# Altium PCB 整板_大板_one.PcbDoc (part 3 of 3)
Units mil, origin at the board's own origin, x right, y up, seen from the top; angles counter-clockwise.
Board outline 19488.19 x 7322.84 mil, 2 copper layers (Top Layer, Bottom Layer); 297 components, 275 nets, 1817 pads, 745 vias.
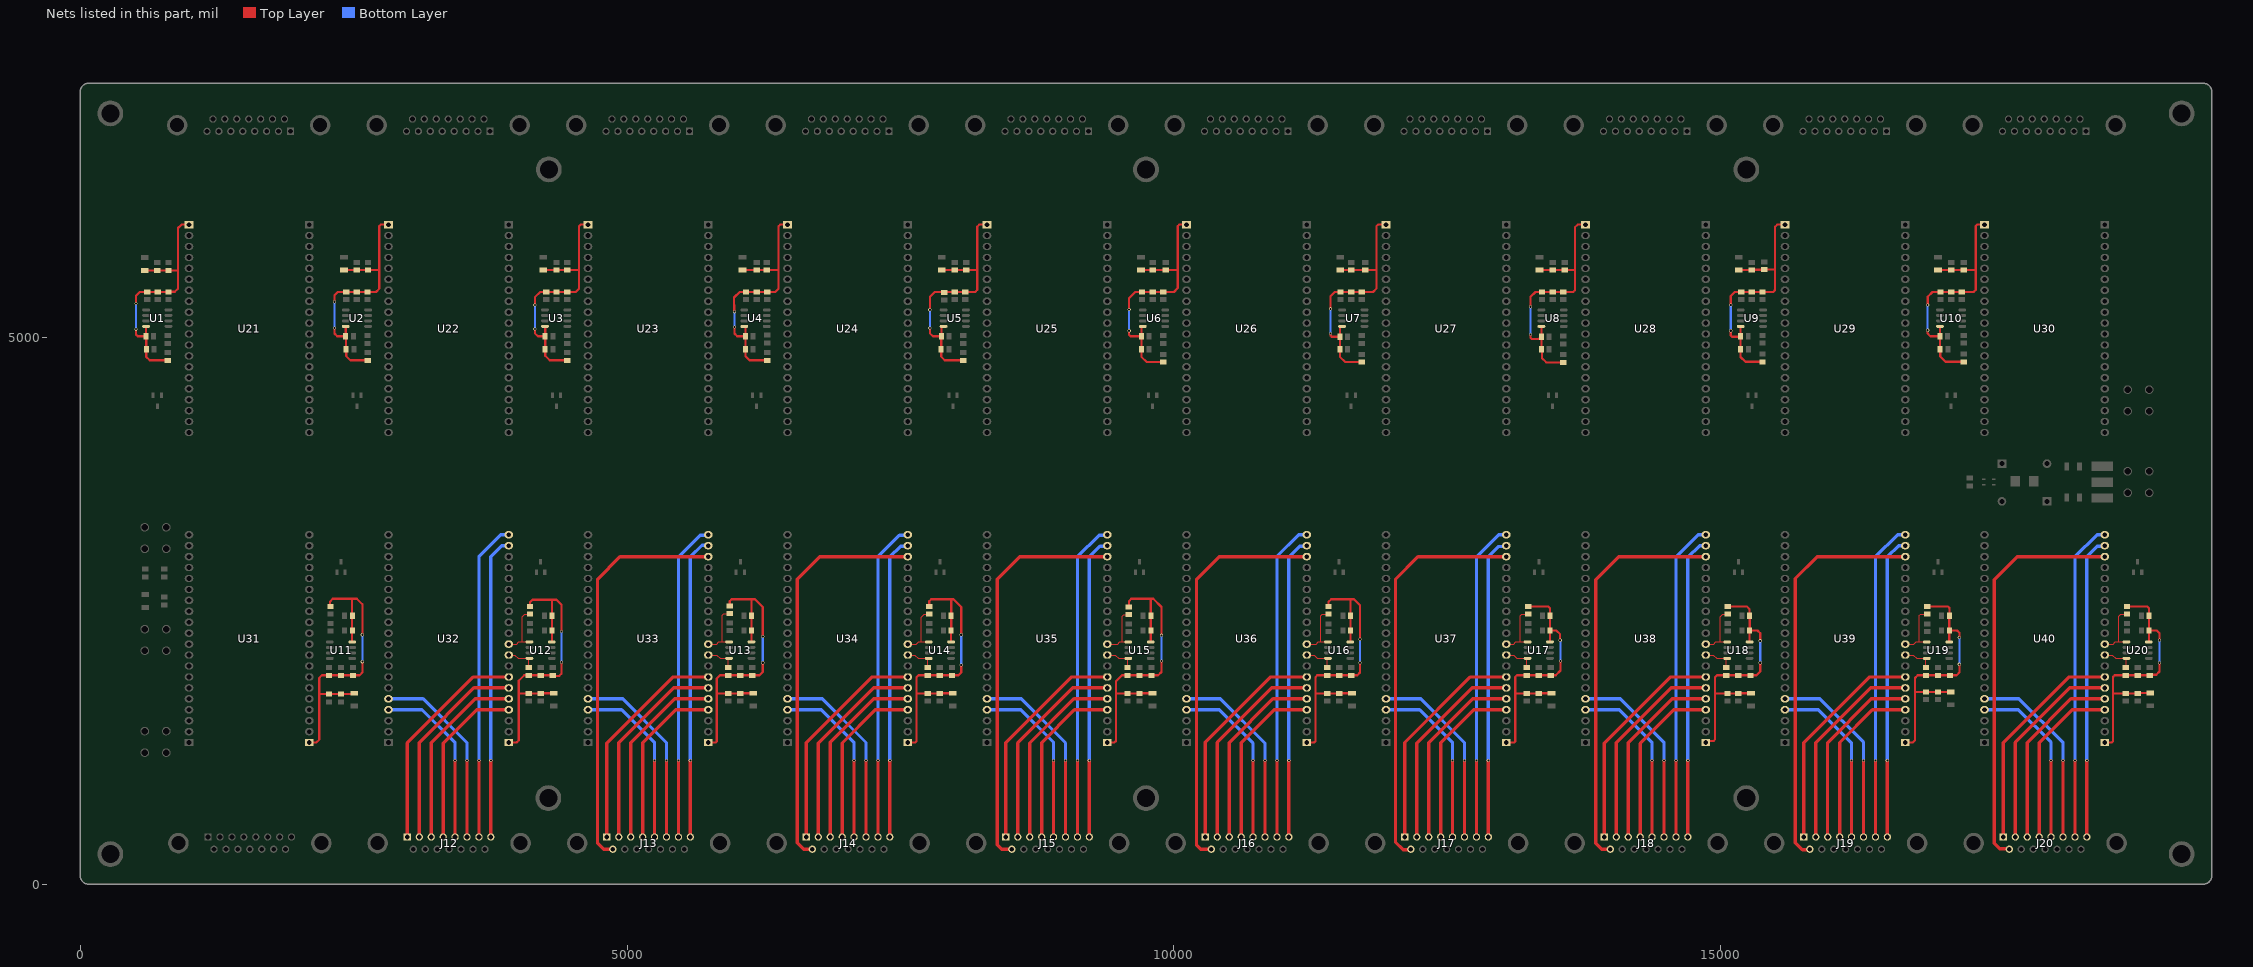
[diagram p3: the nets of this part, all layers, seen from the top]

## Via types
v1: diameter 25, hole 20, Top Layer to Bottom Layer, 462 vias
v2: diameter 30, hole 20, Top Layer to Bottom Layer, 281 vias
v3: diameter 40, hole 25, Top Layer to Bottom Layer, 1 vias
v4: diameter 25, hole 15, Top Layer to Bottom Layer, 1 vias

## Nets (pads, with @x,y where several pads share a name; then routed paths per layer and width w, separated by ;. In a path a pad name is that pad's centre, name@x,y a point inside that pad or via, vN(x,y) a via of type N, cw(c..) or ccw(c..) an arc to the next point about the centre after c; other vN are vias at no path point) (continued)
U12_P2: J12.8 U32.19 | length 2768.6
  Top Layer w30: J12.8@3754.69,431.81 v2(3754.69,1130.86)
  Bottom Layer w30: v2(3754.69,1130.86) 3754.69,2994.69 3855,3095 U32.19@3918.89,3095
U12_P3: J12.7 U32.20 | length 2918.9
  Top Layer w30: J12.7@3645.64,431.81 v2(3645.64,1130.86)
  Bottom Layer w30: v2(3645.64,1130.86) 3645.64,2994.36 3846.27,3195 U32.20@3918.89,3195
U12_P4: J12.6 U32.36 | length 1745.6
  Top Layer w30: J12.6@3536.58,431.81 v2(3536.58,1130.86)
  Bottom Layer w30: U32.36@2818.89,1695 3135,1695 3536.58,1293.42 v2(3536.58,1130.86)
U12_P5: J12.5 U32.37 | length 1594.6
  Top Layer w30: J12.5@3427.53,431.81 v2(3427.53,1130.86)
  Bottom Layer w30: U32.37@2818.89,1595 3125,1595 3427.53,1292.47 v2(3427.53,1130.86)
U12_P6: J12.4 U32.4 | length 1584
  Top Layer w30: J12.4@3318.47,431.81 3318.47,1288.47 3625,1595 U32.4@3918.89,1595
U12_P7: J12.3 U32.5 | length 1738
  Top Layer w30: J12.3@3209.42,431.81 3209.42,1294.42 3610,1695 U32.5@3918.89,1695
U12_P8: J12.2 U32.6 | length 1889
  Top Layer w30: J12.2@3100.36,431.81 3100.36,1295.36 3600,1795 U32.6@3918.89,1795
U12_P9: J12.1 U32.7 | length 2037.1
  Top Layer w30: J12.1@2991.31,431.81 2991.31,1291.31 3595,1895 U32.7@3918.89,1895
U12_RX: R56.1 U12.1 U32.10 | length 510.2
  Top Layer w10: U32.10@3918.89,2195 3990,2195 4010,2215 4040,2215 ; U12.1@4107.64,2215 4040,2215 ; R56.1@4112.89,2469.92 4064.92,2469.92 4040,2445 4040,2215
U12_TX: R54.1 U12.4 U32.9 | length 289.3
  Top Layer w10: U32.9@3918.89,2095 3975,2095 4005,2065 U12.4@4107.64,2065 4100,2057.36 R54.1@4100,1980.04
U13_P1: J13.9 U33.18 | length 3675.2
  Top Layer w30: J13.9@4869.72,320 4785,320 4730,375 4730,2790 4935,2995 U33.18@5742.78,2995
U13_P2: J13.8 U33.19 | length 2772.1
  Top Layer w30: J13.8@5578.58,431.81 v2(5578.58,1130.86)
  Bottom Layer w30: v2(5578.58,1130.86) 5578.58,2993.58 5685,3100 5737.78,3100 U33.19@5742.78,3095
U13_P3: J13.7 U33.20 | length 2916.6
  Top Layer w30: J13.7@5469.52,431.81 v2(5469.52,1130.86)
  Bottom Layer w30: v2(5469.52,1130.86) 5469.52,2990.48 5669.05,3190 5737.78,3190 U33.20@5742.78,3195
U13_P4: J13.6 U33.36 | length 1746.3
  Top Layer w30: J13.6@5360.47,431.81 v2(5360.47,1130.86)
  Bottom Layer w30: U33.36@4642.78,1695 4960,1695 5360.47,1294.53 v2(5360.47,1130.86)
U13_P5: J13.5 U33.37 | length 1595.3
  Top Layer w30: J13.5@5251.41,431.81 v2(5251.41,1130.86)
  Bottom Layer w30: U33.37@4642.78,1595 4950,1595 5251.41,1293.59 v2(5251.41,1130.86)
U13_P6: J13.4 U33.4 | length 1586.3
  Top Layer w30: J13.4@5142.36,431.81 5142.36,1292.36 5445,1595 U33.4@5742.78,1595
U13_P7: J13.3 U33.5 | length 1737.4
  Top Layer w30: J13.3@5033.3,431.81 5033.3,1293.3 5435,1695 U33.5@5742.78,1695
U13_P8: J13.2 U33.6 | length 1888.4
  Top Layer w30: J13.2@4924.25,431.81 4924.25,1294.25 5425,1795 U33.6@5742.78,1795
U13_P9: J13.1 U33.7 | length 2036.5
  Top Layer w30: J13.1@4815.19,431.81 4815.19,1290.19 5420,1895 U33.7@5742.78,1895
U13_RX: R59.1 U13.1 U33.10 | length 517.2
  Top Layer w10: U33.10@5742.78,2195 5820,2195 5840,2215 5870,2215 ; U13.1@5932.64,2215 5870,2215 ; R59.1@5937.89,2474.92 5884.92,2474.92 5870,2460 5870,2215
U13_TX: R57.1 U13.4 U33.9 | length 290.4
  Top Layer w10: U33.9@5742.78,2095 5820,2095 5850,2065 U13.4@5932.64,2065 5925,2057.36 R57.1@5925,1980.04
U14_P1: J14.9 U34.18 | length 3670
  Top Layer w30: J14.9@6693.61,320 6615,320 6555,380 6555,2790 6760,2995 U34.18@7566.67,2995
U14_P2: J14.8 U34.19 | length 2767.4
  Top Layer w30: J14.8@7402.47,431.81 v2(7402.47,1130.86)
  Bottom Layer w30: v2(7402.47,1130.86) 7402.47,2992.53 7499.94,3090 7561.67,3090 U34.19@7566.67,3095
U14_P3: J14.7 U34.20 | length 2918.4
  Top Layer w30: J14.7@7293.41,431.81 v2(7293.41,1130.86)
  Bottom Layer w30: v2(7293.41,1130.86) 7293.41,2993.41 7490,3190 7561.67,3190 U34.20@7566.67,3195
U14_P4: J14.6 U34.36 | length 1746.9
  Top Layer w30: J14.6@7184.36,431.81 v2(7184.36,1130.86)
  Bottom Layer w30: U34.36@6466.67,1695 6785,1695 7184.36,1295.64 v2(7184.36,1130.86)
U14_P5: J14.5 U34.37 | length 1595.9
  Top Layer w30: J14.5@7075.3,431.81 v2(7075.3,1130.86)
  Bottom Layer w30: U34.37@6466.67,1595 6775,1595 7075.3,1294.7 v2(7075.3,1130.86)
U14_P6: J14.4 U34.4 | length 1585.7
  Top Layer w30: J14.4@6966.25,431.81 6966.25,1291.25 7270,1595 U34.4@7566.67,1595
U14_P7: J14.3 U34.5 | length 1739.6
  Top Layer w30: J14.3@6857.19,431.81 6857.19,1297.19 7255,1695 U34.5@7566.67,1695
U14_P8: J14.2 U34.6 | length 1884.8
  Top Layer w30: J14.2@6748.14,431.81 6748.14,1288.14 7255,1795 U34.6@7566.67,1795
U14_P9: J14.1 U34.7 | length 2038.8
  Top Layer w30: J14.1@6639.08,431.81 6639.08,1294.08 7240,1895 U34.7@7566.67,1895
U14_RX: R62.1 U14.1 U34.10 | length 510.1
  Top Layer w10: U34.10@7566.67,2195 7645,2195 7665,2215 7690,2215 ; U14.1@7757.64,2215 7690,2215 ; R62.1@7762.89,2469.92 7718.95,2469.92 7690,2440.97 7690,2215
U14_TX: R60.1 U14.4 U34.9 | length 291.5
  Top Layer w10: U34.9@7566.67,2095 7630,2095 7660,2065 U14.4@7757.64,2065 7750,2057.36 R60.1@7750,1980.04
U15_P1: J15.9 U35.18 | length 3669.5
  Top Layer w30: J15.9@8517.5,320 8425,320 8385,360 8385,2790 8590,2995 U35.18@9390.56,2995
U15_P2: J15.8 U35.19 | length 2768
  Top Layer w30: J15.8@9226.36,431.81 v2(9226.36,1130.86)
  Bottom Layer w30: v2(9226.36,1130.86) 9226.36,2993.64 9322.71,3090 9385.56,3090 U35.19@9390.56,3095
U15_P3: J15.7 U35.20 | length 2917.9
  Top Layer w30: J15.7@9117.3,431.81 v2(9117.3,1130.86)
  Bottom Layer w30: v2(9117.3,1130.86) 9117.3,2992.7 9314.6,3190 9385.56,3190 U35.20@9390.56,3195
U15_P4: J15.6 U35.36 | length 1744.7
  Top Layer w30: J15.6@9008.25,431.81 v2(9008.25,1130.86)
  Bottom Layer w30: U35.36@8290.56,1695 8605,1695 9008.25,1291.75 v2(9008.25,1130.86)
U15_P5: J15.5 U35.37 | length 1596.6
  Top Layer w30: J15.5@8899.19,431.81 v2(8899.19,1130.86)
  Bottom Layer w30: U35.37@8290.56,1595 8600,1595 8899.19,1295.81 v2(8899.19,1130.86)
U15_P6: J15.4 U35.4 | length 1588
  Top Layer w30: J15.4@8790.14,431.81 8790.14,1295.14 9090,1595 U35.4@9390.56,1595
U15_P7: J15.3 U35.5 | length 1736.1
  Top Layer w30: J15.3@8681.08,431.81 8681.08,1291.08 9085,1695 U35.5@9390.56,1695
U15_P8: J15.2 U35.6 | length 1887.1
  Top Layer w30: J15.2@8572.03,431.81 8572.03,1292.03 9075,1795 U35.6@9390.56,1795
U15_P9: J15.1 U35.7 | length 2038.1
  Top Layer w30: J15.1@8462.97,431.81 8462.97,1292.97 9065,1895 U35.7@9390.56,1895
U15_RX: R65.1 U15.1 U35.10 | length 504.4
  Top Layer w10: U35.10@9390.56,2195 9485,2195 9505,2215 9525,2215 ; U15.1@9582.64,2215 9525,2215 ; R65.1@9587.89,2464.92 9539.92,2464.92 9525,2450 9525,2215
U15_TX: R63.1 U15.4 U35.9 | length 292.6
  Top Layer w10: U35.9@9390.56,2095 9465,2095 9495,2065 U15.4@9582.64,2065 9575,2057.36 R63.1@9575,1980.04
U16_P1: J16.9 U36.18 | length 3674.4
  Top Layer w30: J16.9@10341.39,320 10245,320 10205,360 10205,2785 10415,2995 U36.18@11214.44,2995
U16_P2: J16.8 U36.19 | length 2765.7
  Top Layer w30: J16.8@11050.25,431.81 v2(11050.25,1130.86)
  Bottom Layer w30: v2(11050.25,1130.86) 11050.25,2989.75 11150.49,3090 11209.44,3090 U36.19@11214.44,3095
U16_P3: J16.7 U36.20 | length 2920
  Top Layer w30: J16.7@10941.19,431.81 v2(10941.19,1130.86)
  Bottom Layer w30: v2(10941.19,1130.86) 10941.19,2996.19 11140,3195 U36.20@11214.44,3195
U16_P4: J16.6 U36.36 | length 1742.4
  Top Layer w30: J16.6@10832.14,431.81 v2(10832.14,1130.86)
  Bottom Layer w30: U36.36@10114.44,1695 10425,1695 10832.14,1287.86 v2(10832.14,1130.86)
U16_P5: J16.5 U36.37 | length 1591.4
  Top Layer w30: J16.5@10723.08,431.81 v2(10723.08,1130.86)
  Bottom Layer w30: U36.37@10114.44,1595 10415,1595 10723.08,1286.92 v2(10723.08,1130.86)
U16_P6: J16.4 U36.4 | length 1587.3
  Top Layer w30: J16.4@10614.03,431.81 10614.03,1294.03 10915,1595 U36.4@11214.44,1595
U16_P7: J16.3 U36.5 | length 1738.3
  Top Layer w30: J16.3@10504.97,431.81 10504.97,1294.97 10905,1695 U36.5@11214.44,1695
U16_P8: J16.2 U36.6 | length 1889.4
  Top Layer w30: J16.2@10395.92,431.81 10395.92,1295.92 10895,1795 U36.6@11214.44,1795
U16_P9: J16.1 U36.7 | length 2040.4
  Top Layer w30: J16.1@10286.86,431.81 10286.86,1296.86 10885,1895 U36.7@11214.44,1895
U16_RX: R80.1 U16.1 U36.10 | length 520.6
  Top Layer w10: U36.10@11214.44,2195 11300,2195 11320,2215 11340,2215 ; U16.1@11407.64,2215 11340,2215 ; R80.1@11412.89,2469.96 11354.96,2469.96 11340,2455 11340,2215
U16_TX: R78.1 U16.4 U36.9 | length 293.7
  Top Layer w10: U36.9@11214.44,2095 11280,2095 11310,2065 U16.4@11407.64,2065 11400,2057.36 R78.1@11400,1980.04
U17_P1: J17.9 U37.18 | length 3674.6
  Top Layer w30: J17.9@12165.28,320 12160.28,315 12095,315 12025,385 12025,2790 12230,2995 U37.18@13038.33,2995
U17_P2: J17.8 U37.19 | length 2768.3
  Top Layer w30: J17.8@12874.14,431.81 v2(12874.14,1130.86)
  Bottom Layer w30: v2(12874.14,1130.86) 12874.14,2994.14 12967.93,3087.93 13031.27,3087.93 U37.19@13038.33,3095
U17_P3: J17.7 U37.20 | length 2916.4
  Top Layer w30: J17.7@12765.08,431.81 v2(12765.08,1130.86)
  Bottom Layer w30: v2(12765.08,1130.86) 12765.08,2990.08 12970,3195 U37.20@13038.33,3195
U17_P4: J17.6 U37.36 | length 1746
  Top Layer w30: J17.6@12656.02,431.81 v2(12656.02,1130.86)
  Bottom Layer w30: U37.36@11938.33,1695 12255,1695 12656.02,1293.98 v2(12656.02,1130.86)
U17_P5: J17.5 U37.37 | length 1594.9
  Top Layer w30: J17.5@12546.97,431.81 v2(12546.97,1130.86)
  Bottom Layer w30: U37.37@11938.33,1595 12245,1595 12546.97,1293.03 v2(12546.97,1130.86)
U17_P6: J17.4 U37.4 | length 1586.6
  Top Layer w30: J17.4@12437.91,431.81 12437.91,1292.91 12740,1595 U37.4@13038.33,1595
U17_P7: J17.3 U37.5 | length 1737.7
  Top Layer w30: J17.3@12328.86,431.81 12328.86,1293.86 12730,1695 U37.5@13038.33,1695
U17_P8: J17.2 U37.6 | length 1885.8
  Top Layer w30: J17.2@12219.8,431.81 12219.8,1289.8 12725,1795 U37.6@13038.33,1795
U17_P9: J17.1 U37.7 | length 2039.7
  Top Layer w30: J17.1@12110.75,431.81 12110.75,1295.75 12710,1895 U37.7@13038.33,1895
U17_RX: R83.1 U17.1 U37.10 | length 521.7
  Top Layer w10: U37.10@13038.33,2195 13105,2195 13125,2215 13165,2215 ; U17.1@13232.64,2215 13165,2215 ; R83.1@13237.89,2469.96 13179.96,2469.96 13165,2455 13165,2215
U17_TX: R81.1 U17.4 U37.9 | length 294.9
  Top Layer w10: U37.9@13038.33,2095 13105,2095 13135,2065 U17.4@13232.64,2065 13225,2057.36 R81.1@13225,1980.04
U18_P1: J18.9 U38.18 | length 3655.2
  Top Layer w30: J18.9@13989.17,320 13910,320 13855,375 13855,2785 14065,2995 U38.18@14856.32,2995
U18_P2: J18.8 U38.19 | length 2764.7
  Top Layer w30: J18.8@14698.02,431.81 v2(14698.02,1130.86)
  Bottom Layer w30: v2(14698.02,1130.86) 14698.02,2988.02 14805,3095 U38.19@14862.22,3095
U18_P3: J18.7 U38.20 | length 2917
  Top Layer w30: J18.7@14588.97,431.81 v2(14588.97,1130.86)
  Bottom Layer w30: v2(14588.97,1130.86) 14588.97,2991.03 14792.94,3195 U38.20@14862.22,3195
U18_P4: J18.6 U38.36 | length 1746.6
  Top Layer w30: J18.6@14479.91,431.81 v2(14479.91,1130.86)
  Bottom Layer w30: U38.36@13762.22,1695 14080,1695 14479.91,1295.09 v2(14479.91,1130.86)
U18_P5: J18.5 U38.37 | length 1595.6
  Top Layer w30: J18.5@14370.86,431.81 v2(14370.86,1130.86)
  Bottom Layer w30: U38.37@13762.22,1595 14070,1595 14370.86,1294.14 v2(14370.86,1130.86)
U18_P6: J18.4 U38.4 | length 1583.1
  Top Layer w30: J18.4@14261.8,431.81 14261.8,1286.8 14570,1595 U38.4@14862.22,1595
U18_P7: J18.3 U38.5 | length 1737
  Top Layer w30: J18.3@14152.75,431.81 14152.75,1292.75 14555,1695 U38.5@14862.22,1695
U18_P8: J18.2 U38.6 | length 1888.1
  Top Layer w30: J18.2@14043.69,431.81 14043.69,1293.69 14545,1795 U38.6@14862.22,1795
U18_P9: J18.1 U38.7 | length 2036.2
  Top Layer w30: J18.1@13934.64,431.81 13934.64,1289.64 14540,1895 U38.7@14862.22,1895
U18_RX: R86.1 U18.1 U38.10 | length 512.5
  Top Layer w10: U38.10@14862.22,2195 14935,2195 14955,2215 14995,2215 ; U18.1@15057.64,2215 14995,2215 ; R86.1@15062.89,2469.92 15018.95,2469.92 14995,2445.97 14995,2215
U18_TX: R84.1 U18.4 U38.9 | length 296
  Top Layer w10: U38.9@14862.22,2095 14930,2095 14960,2065 U18.4@15057.64,2065 15050,2057.36 R84.1@15050,1980.04
U19_P1: J19.9 U39.18 | length 3666
  Top Layer w30: J19.9@15813.05,320 15808.05,315 15745,315 15680,380 15680,2795 15880,2995 U39.18@16686.11,2995
U19_P2: J19.8 U39.19 | length 2767
  Top Layer w30: J19.8@16521.91,431.81 v2(16521.91,1130.86)
  Bottom Layer w30: v2(16521.91,1130.86) 16521.91,2991.91 16625,3095 U39.19@16686.11,3095
U19_P3: J19.7 U39.20 | length 2917.6
  Top Layer w30: J19.7@16412.86,431.81 v2(16412.86,1130.86)
  Bottom Layer w30: v2(16412.86,1130.86) 16412.86,2992.14 16615.72,3195 U39.20@16686.11,3195
U19_P4: J19.6 U39.36 | length 1747.3
  Top Layer w30: J19.6@16303.8,431.81 v2(16303.8,1130.86)
  Bottom Layer w30: U39.36@15586.11,1695 15905,1695 16303.8,1296.2 v2(16303.8,1130.86)
U19_P5: J19.5 U39.37 | length 1593.3
  Top Layer w30: J19.5@16194.75,431.81 v2(16194.75,1130.86)
  Bottom Layer w30: U39.37@15586.11,1595 15890,1595 16194.75,1290.25 v2(16194.75,1130.86)
U19_P6: J19.4 U39.4 | length 1588.3
  Top Layer w30: J19.4@16085.69,431.81 16085.69,1295.69 16385,1595 U39.4@16686.11,1595
U19_P7: J19.3 U39.5 | length 1740
  Top Layer w30: J19.3@15975,431.81 15975,1295 16375,1695 U39.5@16686.11,1695
U19_P8: J19.2 U39.6 | length 1887.4
  Top Layer w30: J19.2@15867.58,431.81 15867.58,1292.58 16370,1795 U39.6@16686.11,1795
U19_P9: J19.1 U39.7 | length 2038.4
  Top Layer w30: J19.1@15758.53,431.81 15758.53,1293.53 16360,1895 U39.7@16686.11,1895
U19_RX: R89.1 U19.1 U39.10 | length 526.8
  Top Layer w10: U39.10@16686.11,2195 16765,2195 16785,2215 16815,2215 ; U19.1@16882.64,2215 16815,2215 ; R89.1@16887.89,2469.96 16824.96,2469.96 16815,2460 16815,2215
U19_TX: R87.1 U19.4 U39.9 | length 297.1
  Top Layer w10: U39.9@16686.11,2095 16760,2095 16790,2065 U19.4@16882.64,2065 16875,2057.36 R87.1@16875,1980.04
U20_P1: J20.9 U40.18 | length 3666.7
  Top Layer w30: J20.9@17636.94,320 17631.94,325 17550,325 17500,375 17500,2785 17710,2995 U40.18@18510,2995
U20_P2: J20.8 U40.19 | length 2768.3
  Top Layer w30: J20.8@18345.8,431.81 v2(18345.8,1130.86)
  Bottom Layer w30: v2(18345.8,1130.86) 18345.8,2994.2 18441.6,3090 18505,3090 U40.19@18510,3095
U20_P3: J20.7 U40.20 | length 2917.4
  Top Layer w30: J20.7@18236.75,431.81 v2(18236.75,1130.86)
  Bottom Layer w30: v2(18236.75,1130.86) 18236.75,2991.75 18440,3195 U40.20@18510,3195
U20_P4: J20.6 U40.36 | length 1745
  Top Layer w30: J20.6@18127.69,431.81 v2(18127.69,1130.86)
  Bottom Layer w30: U40.36@17410,1695 17725,1695 18127.69,1292.31 v2(18127.69,1130.86)
U20_P5: J20.5 U40.37 | length 1596.9
  Top Layer w30: J20.5@18018.64,431.81 v2(18018.64,1130.86)
  Bottom Layer w30: U40.37@17410,1595 17720,1595 18018.64,1296.36 v2(18018.64,1130.86)
U20_P6: J20.4 U40.4 | length 1587.6
  Top Layer w30: J20.4@17909.58,431.81 17909.58,1294.58 18210,1595 U40.4@18510,1595
U20_P7: J20.3 U40.5 | length 1738.7
  Top Layer w30: J20.3@17800.53,431.81 17800.53,1295.53 18200,1695 U40.5@18510,1695
U20_P8: J20.2 U40.6 | length 1889.7
  Top Layer w30: J20.2@17691.47,431.81 17691.47,1296.47 18190,1795 U40.6@18510,1795
U20_P9: J20.1 U40.7 | length 2037.8
  Top Layer w30: J20.1@17582.42,431.81 17582.42,1292.42 18185,1895 U40.7@18510,1895
U20_RX: R92.1 U20.1 U40.10 | length 527.1
  Top Layer w10: U40.10@18510,2195 18585,2195 18605,2215 18635,2215 ; U20.1@18707.64,2215 18635,2215 ; R92.1@18712.89,2469.96 18654.96,2469.96 18635,2450 18635,2215
U20_TX: R90.1 U20.4 U40.9 | length 298.2
  Top Layer w10: U40.9@18510,2095 18580,2095 18610,2065 U20.4@18707.64,2065 18707.64,1987.68 R90.1@18700,1980.04
VCC5V_S1: BX1.2 C1.1 C2.1 C41.1 C42.1 R1.2 R2.2 R3.2 R16.1 U1.8 U21.1 | length 2333.9
  Top Layer w20: v2(510,5075) 510,5025 526.02,5008.98 C1.1@601.79,5008.98 603.37,5007.39 603.37,4891.59 C2.1@604.96,4890 604.96,4820.04 635.08,4789.92 R3.2@802.11,4789.92 ; v2(510,5310) 510,5380 545.08,5415.08 R16.1@612.89,5415.08 R2.2@710,5415.08 R1.2@807.11,5415.08 808.08,5416.05 866.05,5416.05 895,5445 895,5611 ; BX1.2@590,5611.34 590.3,5611.63 704.7,5611.63 C41.1@705,5611.93 C42.1@804.12,5611.93 ; C1.1@602.21,5009.4 602.21,5099.57 U1.8@602.64,5100 ; BX1.2@602.89,5608.66 BX1.2@603.56,5609.33 ; C42.1@807.11,5614.92 C42.1@804.12,5611.93 ; U21.1@995,6030 925.63,6030 895,5999.37 895,5611 ; C42.1@804.12,5611.93 C42.1@807.11,5611.93 808.04,5611 895,5611
  Bottom Layer w20: v2(510,5075) v2(510,5310)
VCC5V_S2: BX2.2 C3.1 C4.1 C43.1 C44.1 R4.2 R5.2 R6.2 R18.1 U2.8 U22.1 | length 2343.6
  Top Layer w20: v2(2325,5085) 2325,5035 2351.02,5008.98 C3.1@2426.79,5008.98 ; v2(2325,5325) 2325,5385 2355.08,5415.08 R18.1@2432.89,5415.08 R5.2@2530,5415.08 R4.2@2627.11,5415.08 2705.08,5415.08 2735,5445 2735,5615 ; U2.8@2427.64,5100 2427.21,5099.57 2427.21,5009.4 C3.1@2426.79,5008.98 ; BX2.2@2439.39,5614.33 2439.68,5614.63 2529.7,5614.63 C43.1@2530,5614.92 C44.1@2630.76,5614.92 2734.92,5614.92 2735,5615 ; R6.2@2630,4789.92 2470.08,4789.92 2431.79,4828.21 C4.1@2431.79,4890 2429.29,4892.5 2429.29,5006.48 C3.1@2426.79,5008.98 ; U22.1@2818.89,6030 2746.72,6030 2735,6018.28 2735,5615
  Bottom Layer w20: v2(2325,5085) v2(2325,5325)
VCC5V_S3: BX3.2 C5.1 C6.1 C45.1 C46.1 R7.2 R8.2 R9.2 R20.1 U3.8 U23.1 | length 2313.7
  Top Layer w20: v2(4157,5077) 4157,5037.85 4185.87,5008.98 C5.1@4251.79,5008.98 ; v2(4157,5295) 4157,5367 4205,5415 R20.1@4260,5415 R8.2@4355,5415.04 ; U3.8@4252.64,5100 4252.21,5099.57 4252.21,5009.4 C5.1@4251.79,5008.98 ; BX3.2@4264.39,5614.33 4264.68,5614.63 4354.7,5614.63 C45.1@4355,5614.92 C46.1@4454.42,5614.92 4559.92,5614.92 4560,5615 ; R8.2@4355.02,5415.06 R7.2@4452.11,5415.08 ; R9.2@4452.11,4789.92 4292.93,4789.92 4251.79,4831.06 C6.1@4251.79,4890 C5.1@4251.79,5008.98 ; R7.2@4452.11,5415.08 4530.08,5415.08 4560,5445 4560,5615 ; U23.1@4642.78,6030 4573.41,6030 4560,6016.59 4560,5615
  Bottom Layer w20: v2(4157,5077) v2(4157,5295)
VCC5V_S4: BX4.2 C7.1 C8.1 C47.1 C48.1 R10.2 R11.2 R12.2 R22.1 U4.8 U24.1 | length 2313.1
  Top Layer w20: v2(5982,5095) 5982,5034 6007.02,5008.98 C7.1@6081.79,5008.98 ; v2(5982,5235) 5982,5235.9 5979.27,5238.64 5978.36,5364.49 6028.95,5415.08 R22.1@6087.89,5415.08 R11.2@6185,5415.08 6355.08,5415.08 6385,5445 6385,5616 ; U4.8@6082.64,5100 6082.21,5099.57 6082.21,5009.4 C7.1@6081.79,5008.98 ; 6094.39,5614.33 6094.68,5614.63 6184.7,5614.63 C48.1@6185,5614.92 C47.1@6278.07,5614.92 6383.92,5614.92 6385,5616 ; R12.2@6280,4789.96 6120.04,4789.96 6081.79,4828.21 C8.1@6081.79,4890 C7.1@6081.79,5008.98 ; U24.1@6466.67,6030 6400,6030 6385,6015 6385,5616
  Bottom Layer w20: v2@5982,5099 v2(5982,5235)
VCC5V_S5: BX5.2 C9.1 C10.1 C49.1 C50.1 R13.2 R14.2 R15.2 R24.1 U5.8 U25.1 | length 2368.3
  Top Layer w20: v2(7768,5085) 7768,5037 7796.02,5008.98 7871.79,5008.98 C10.1@7872.79,5007.98 ; v2(7768,5252) 7770,5254 7770,5372 7813.04,5415.04 R14.2@7995.62,5415.04 R13.2@8092.74,5415.04 8182.04,5415.04 8201,5434 8201,5609 ; U5.8@7876.64,5100 7875.21,5098.57 7875.21,5010.4 C10.1@7873.79,5008.98 C10.1@7872.79,5007.98 ; BX5.2@7879.39,5614.33 7879.68,5614.63 7969.7,5614.63 C49.1@7970,5614.92 ; C49.1@7995.63,5614.92 C50.1@8101.73,5614.92 8195.08,5614.92 8201,5609 ; R15.2@8072.11,4789.96 7905.04,4789.96 7871.79,4823.21 C9.1@7871.79,4890 7872.79,4891 C10.1@7872.79,5007.98 ; U25.1@8290.56,6030 8220,6030 8201,6011 8201,5609
  Bottom Layer w20: v2@7768,5092 v2(7768,5252)
VCC5V_S6: BX6.2 C11.1 C12.1 C51.1 C52.1 R26.2 R27.2 R28.2 R41.1 U6.8 U26.1 | length 2411.2
  Top Layer w20: v2(9590,5060) 9590,5020.69 9601.72,5008.98 C12.1@9701.79,5008.98 ; v2(9590,5255) 9590,5360 9645.04,5415.04 R41.1@9707.89,5415.04 R27.2@9805,5415.04 R26.2@9902.11,5415.04 10000.04,5415.04 10035,5450 10035,5620 ; U6.8@9702.64,5100 9702.64,5009.83 C12.1@9701.79,5008.98 ; BX6.2@9714.39,5614.33 9714.68,5614.63 9804.7,5614.63 C51.1@9805,5614.92 C52.1@9925.38,5614.92 10029.92,5614.92 10035,5620 ; R28.2@9902.11,4774.96 9750.04,4774.96 9701.79,4823.21 C11.1@9701.79,4890 C12.1@9701.79,5008.98 ; U26.1@10114.44,6030 10046.72,6030 10035,6018.28 10035,5620
  Bottom Layer w20: v2(9590,5060) v2(9590,5255)
VCC5V_S7: BX7.2 C13.1 C14.1 C53.1 C54.1 R29.2 R30.2 R31.2 R43.1 U7.8 U27.1 | length 2381.8
  Top Layer w20: v2(11430,5035) 11430,5016.72 11441.72,5005 C14.1@11516.79,5005 ; v2(11430,5260) 11430,5375 11470,5415 R43.1@11522.89,5415.04 R43.1@11522.89,5415.04 R30.2@11620,5415.04 R29.2@11717.11,5415.04 11820.04,5415.04 11850,5445 11850,5615 ; U7.8@11517.64,5100 11517.21,5099.57 11517.21,5005.43 C14.1@11516.79,5005 ; BX7.2@11529.39,5614.33 11529.98,5614.92 C53.1@11620,5614.92 C54.1@11749.04,5614.92 11849.92,5614.92 11850,5615 ; R31.2@11717.11,4774.96 11565.04,4774.96 11516.79,4823.21 C13.1@11516.79,4890 C14.1@11516.79,5005 ; U27.1@11938.33,6030 11865,6030 11850,6015 11850,5615
  Bottom Layer w20: v2(11430,5035) v2(11430,5260)
VCC5V_S8: BX8.2 C15.1 C16.1 C55.1 C56.1 R32.2 R33.2 R34.2 R45.1 U8.8 U28.1 | length 2402.3
  Top Layer w20: v2(13260,5025) 13260,4995 13271.72,4983.28 13336.32,4983.28 13339.1,4986.06 13345.2,4986.06 13358.04,4998.9 C16.1@13358.04,5005 ; v2(13260,5280) 13260,5370 13305.04,5415.04 R45.1@13364.14,5415.04 R33.2@13461.25,5415.04 R32.2@13558.36,5415.04 13650.04,5415.04 13665,5430 13665,5610 ; U8.8@13358.89,5100 13358.46,5099.57 13358.46,5005.43 C16.1@13358.04,5005 ; BX8.2@13370.64,5614.33 13370.93,5614.63 13460.95,5614.63 C56.1@13461.25,5614.92 C55.1@13572.69,5614.92 13660.08,5614.92 13665,5610 ; R34.2@13558.36,4770.98 13403.96,4770.98 13365,4809.94 13365,4884.92 C15.1@13359.92,4890 13358.98,4890.94 13358.98,5004.06 C16.1@13358.04,5005 ; U28.1@13762.22,6030 13690,6030 13665,6005 13665,5610
  Bottom Layer w20: v2(13260,5025) v2(13260,5280)
VCC5V_S9: BX9.2 C17.1 C18.1 C57.1 C58.1 R35.2 R36.2 R37.2 R47.1 U9.8 U29.1 | length 2349.4
  Top Layer w20: v2(15090,5060) 15090,5016.72 15101.72,5005 15174.91,5005 C18.1@15179.91,5010 ; v2(15090,5295) 15090,5377.96 15127.08,5415.04 R47.1@15186.01,5415.04 R36.2@15283.12,5415.04 R35.2@15380.24,5415.04 15478.28,5415.04 15495,5431.76 15495,5620 ; U9.8@15180.76,5100 15180.34,5099.57 15180.34,5010.43 C18.1@15179.91,5010 ; BX9.2@15192.51,5614.33 15192.81,5614.63 15282.83,5614.63 C58.1@15283.13,5614.92 15285.63,5617.42 15377.74,5617.42 C57.1@15380.24,5619.92 ; R37.2@15378.15,4773.9 15376.06,4775.98 15224.02,4775.98 15180,4820 C17.1@15180,4890 C17.1@15180,4890 15179.96,5009.96 C18.1@15179.91,5010 ; C57.1@15396.35,5619.92 15494.92,5619.92 15495,5620 ; U29.1@15586.11,6030 15515,6030 15495,6010 15495,5620
  Bottom Layer w20: v2(15090,5060) v2(15090,5295)
VCC5V_S10: BX10.2 C19.1 C20.1 C59.1 C60.1 R38.2 R39.2 R40.2 R49.1 U10.8 U30.1 | length 2449.5
  Top Layer w20: v2(16890,5065) 16890,5035 16915,5010 C20.1@17001.79,5010 ; v2(16890,5295) 16890.78,5295.78 16890.78,5370.78 16935.04,5415.04 R49.1@17007.89,5415.04 R39.2@17105,5415.04 R38.2@17202.11,5415.04 17310.04,5415.04 17330,5435 17330,5615 ; BX10.2@16985,5614.33 16985.29,5614.63 17104.7,5614.63 C59.1@17105,5614.92 C60.1@17220,5614.92 17329.92,5614.92 17330,5615 ; U10.8@17002.64,5100 17002.21,5099.57 17002.21,5010.43 C20.1@17001.79,5010 ; R40.2@17220,4775.98 17054.02,4775.98 17004.92,4825.08 C19.1@17004.92,4890 17003.35,4891.57 17003.35,5008.43 C20.1@17001.79,5010 ; U30.1@17410,6030 17341.72,6030 17330,6018.28 17330,5615
  Bottom Layer w20: v2(16890,5065) v2(16890,5295)
VCC5V_S11: BX11.2 C21.1 C22.1 C61.1 C62.1 R51.2 R52.2 R53.2 R66.1 U11.8 U31.1 | length 2793.2
  Top Layer w20: U31.1@2095,1295 2158.28,1295 2185,1321.72 2185,1740 ; R53.2@2285,2540 2285,2585 2310,2610 2485,2610 ; R52.2@2385,1909.96 R66.1@2495,1909.96 2554.96,1909.96 2580,1935 v2(2580,2035) ; R52.2@2385,1909.96 R51.2@2275,1910 2210,1910 2185,1885 2185,1740 ; U11.8@2487.36,2215 2486.22,2216.14 2486.22,2318.86 2485.08,2320 2485.08,2609.92 2485,2610 ; BX11.2@2505,1738.66 2504.7,1738.37 2385.3,1738.37 C62.1@2385,1738.07 C61.1@2275,1738.07 2186.93,1738.07 2185,1740 ; v2(2580,2280) 2580,2560 2530,2610 2485,2610
  Bottom Layer w20: v2(2580,2035) v2(2580,2280)
VCC5V_S12: BX12.2 C23.1 C24.1 C63.1 C64.1 R54.2 R55.2 R56.2 R68.1 U12.8 U32.1 | length 2743.7
  Top Layer w20: U32.1@3918.89,1295 3988.26,1295 4010,1316.74 4010,1860 4060,1910 R54.2@4100,1909.96 R54.2@4100,1909.96 R55.2@4210,1909.96 R68.1@4320,1909.96 4324.96,1905 4380,1905 4400,1925 v2(4400,2030) ; 4019.92,1745.08 C64.1@4100,1745.08 C63.1@4210,1745.08 4210.3,1745.37 4329.15,1745.37 BX12.2@4329.44,1745.67 ; R56.2@4112.89,2540 4112.89,2577.89 4135,2600 4310,2600 ; U12.8@4312.36,2215 4312.36,2319.15 C24.1@4313.21,2320 4313.21,2533.9 4313.21,2596.79 4310,2600 ; v2(4400,2310) 4400,2555 4355,2600 4310,2600
  Bottom Layer w20: v2(4400,2030) v2(4400,2310)
VCC5V_S13: BX13.2 C25.1 C26.1 C65.1 C66.1 R57.2 R58.2 R59.2 R70.1 U13.8 U33.1 | length 2803.6
  Top Layer w20: U33.1@5742.78,1295 5808.28,1295 5820,1306.72 5820,1740 ; R59.2@5937.89,2545 5937.89,2587.89 5955,2605 6140,2605 ; U13.8@6137.36,2215 6137.79,2215.43 6137.79,2319.57 C25.1@6138.21,2320 6138.21,2533.9 6138.21,2603.21 6140,2605 ; BX13.2@6153.89,1745.67 6153.59,1745.37 6035.3,1745.37 C65.1@6035,1745.08 C66.1@5925,1745.08 5825.08,1745.08 5820,1740 ; v2(6240,2025) 6240,1940 6209.96,1909.96 R70.1@6145,1909.96 R58.2@6035,1909.96 R57.2@5925,1909.96 5849.96,1909.96 5820,1880 5820,1740 ; v2(6240,2265) 6240,2535 6170,2605 6140,2605
  Bottom Layer w20: v2(6240,2025) v2(6240,2265)
VCC5V_S14: BX14.2 C27.1 C28.1 C67.1 C68.1 R60.2 R61.2 R62.2 R72.1 U14.8 U34.1 | length 2796.5
  Top Layer w20: U34.1@7566.67,1295 7633.28,1295 7645,1306.72 7645,1745 ; R62.2@7762.89,2540 7762.89,2587.89 7780,2605 7960,2605 ; U14.8@7962.36,2215 7962.79,2215.43 7962.79,2319.57 C28.1@7963.21,2320 7963.21,2533.9 7963.21,2601.79 7960,2605 ; BX14.2@7978.33,1745.67 7978.04,1745.37 7860.3,1745.37 C67.1@7860,1745.08 C68.1@7750,1745.08 7645.08,1745.08 7645,1745 ; v2(8055,2005) 8055,1935 8029.96,1909.96 R72.1@7970,1909.96 R61.2@7860,1909.96 R60.2@7750,1909.96 7664.96,1909.96 7645,1890 7645,1745 ; v2(8055,2280) 8055,2535 7985,2605 7960,2605
  Bottom Layer w20: v2(8055,2005) v2(8055,2280)
VCC5V_S15: BX15.2 C29.1 C30.1 C69.1 C70.1 R63.2 R64.2 R65.2 R74.1 U15.8 U35.1 | length 2797.8
  Top Layer w20: U35.1@9390.56,1295 9455,1295 9470,1310 9470,1750 ; R65.2@9587.89,2535 9587.89,2587.89 9610,2610 9785,2610 ; U15.8@9787.36,2215 9787.79,2215.43 9787.79,2319.57 C29.1@9788.21,2320 9788.21,2533.9 9788.21,2606.79 9785,2610 ; BX15.2@9802.78,1745.67 9802.48,1745.37 9685.3,1745.37 C69.1@9685,1745.08 C70.1@9575,1745.08 9474.92,1745.08 9470,1750 ; v2(9885,2040) 9885,1940 9854.96,1909.96 R74.1@9795,1909.96 R64.2@9685,1909.96 R63.2@9575,1909.96 9524.96,1909.96 9470,1855 9470,1750 ; v2(9885,2275) 9885,2535 9810,2610 9785,2610
  Bottom Layer w20: v2(9885,2040) v2(9885,2275)
VCC5V_S16: BX16.2 C31.1 C32.1 C71.1 C72.1 R78.2 R79.2 R80.2 R93.1 U16.8 U36.1 | length 2793
  Top Layer w20: U36.1@11214.44,1295 11280,1295 11295,1310 11295,1745 ; R80.2@11412.89,2540.04 11412.89,2581.17 11436.72,2605 11610,2605 ; U16.8@11612.36,2215 11612.79,2215.43 11612.79,2319.57 C31.1@11613.21,2320 11613.21,2535 11613.21,2601.79 11610,2605 ; BX16.2@11626.93,1745.37 11510.3,1745.37 C71.1@11510,1745.08 C72.1@11400,1745.08 11295.08,1745.08 11295,1745 ; v2(11700,2025) 11700,1935 11675,1910 R93.1@11620,1909.96 R93.1@11620,1909.96 R79.2@11510,1909.96 R78.2@11400,1909.96 11309.96,1909.96 11295,1895 11295,1745 ; v2(11700,2240) 11700,2550 11645,2605 11610,2605
  Bottom Layer w20: v2(11700,2025) v2(11700,2240)
VCC5V_S17: BX17.2 C33.1 C34.1 C73.1 C74.1 R81.2 R82.2 R83.2 R95.1 U17.8 U37.1 | length 2401.2
  Top Layer w20: U37.1@13038.33,1295 13108.28,1295 13120,1306.72 13120,1750 ; R83.2@13237.89,2540.04 13379.96,2540.04 13380,2540 13420,2540 13438.21,2521.79 C33.1@13438.21,2455 C34.1@13438.21,2320 ; U17.8@13437.36,2215 13437.79,2215.43 13437.79,2319.57 C34.1@13438.21,2320 ; BX17.2@13451.67,1745.67 13451.37,1745.37 13335.3,1745.37 C73.1@13335,1745.08 C74.1@13225,1745.08 13124.92,1745.08 13120,1750 ; v2(13530,2230) 13530,2285 13495,2320 C34.1@13438.21,2320 ; v2(13534,2041) 13534,1954 13490,1910 R95.1@13445,1909.96 R95.1@13445,1909.96 R82.2@13335,1909.96 R81.2@13225,1909.96 13134.96,1909.96 13120,1895 13120,1750
  Bottom Layer w20: v2(13530,2230) 13534,2226 v2(13534,2041)
VCC5V_S18: BX18.2 C35.1 C36.1 C75.1 C76.1 R84.2 R85.2 R86.2 R97.1 U18.8 U38.1 | length 2399.6
  Top Layer w20: U38.1@14862.22,1295 14877.22,1310 14933.28,1310 14945,1321.72 14945,1750 ; R86.2@15062.89,2540 15235,2540 15261.06,2513.94 15261.06,2457.15 C36.1@15263.21,2455 C35.1@15263.21,2320 ; U18.8@15262.36,2215 15262.79,2215.43 15262.79,2319.57 C35.1@15263.21,2320 ; BX18.2@15276.11,1745.67 15275.82,1745.37 15160.3,1745.37 C75.1@15160,1745.08 C76.1@15060,1745.08 14949.92,1745.08 14945,1750 ; v2(15360,2025) 15360,1945 15325,1910 R97.1@15270,1909.96 R97.1@15270,1909.96 R85.2@15160,1909.96 R84.2@15050,1909.96 14964.96,1909.96 14945,1890 14945,1750 ; v2(15360,2225) 15360,2295 15335,2320 C35.1@15263.21,2320
  Bottom Layer w20: v2(15360,2025) v2(15360,2225)
VCC5V_S19: BX19.2 C37.1 C38.1 C77.1 C78.1 R87.2 R88.2 R89.2 R99.1 U19.8 U39.1 | length 2403
  Top Layer w20: U39.1@16686.11,1295 16755,1295 16775,1315 16775,1760 ; R89.2@16887.89,2540.04 17054.96,2540.04 17055,2540 17075,2540 17090,2525 17090,2456.79 C37.1@17088.21,2455 C38.1@17088.21,2320 ; U19.8@17087.36,2215 17087.79,2215.43 17087.79,2319.57 C38.1@17088.21,2320 ; BX19.2@17100.56,1758.66 17100.26,1758.37 16985.3,1758.37 C78.1@16985,1758.07 C77.1@16875,1758.07 16776.93,1758.07 16775,1760 ; v2(17180,2010) 17180,1935 17154.96,1909.96 R99.1@17095,1909.96 R88.2@16985,1909.96 R87.2@16875,1909.96 16799.96,1909.96 16775,1885 16775,1760 ; v2(17180,2255) 17180,2298.28 17158.28,2320 C38.1@17088.21,2320
  Bottom Layer w20: v2(17180,2010) v2(17180,2255)
VCC5V_S20: BX20.2 C39.1 C40.1 C79.1 C80.1 R90.2 R91.2 R92.2 R101.1 U20.8 U40.1 | length 2431
  Top Layer w20: U40.1@18510,1295 18573.28,1295 18585,1306.72 18585,1750 ; R92.2@18712.89,2540.04 18869.96,2540.04 18870,2540 18895,2540 18915.04,2519.96 C40.1@18915.04,2455 18914.13,2454.09 18914.13,2320.91 C39.1@18913.21,2320 ; U20.8@18912.36,2215 18912.79,2215.43 18912.79,2319.57 C39.1@18913.21,2320 ; BX20.2@18925,1748.66 18923.21,1746.87 18811.79,1746.87 C80.1@18810,1745.08 C79.1@18700,1745.08 18589.92,1745.08 18585,1750 ; v2(19010,2025) 19010,1945 18980,1915 18925.04,1915 R101.1@18920,1909.96 R91.2@18810,1909.96 R90.2@18700,1909.96 18599.96,1909.96 18585,1895 18585,1750 ; v2(19010,2230) 19010,2295 18985,2320 C39.1@18913.21,2320
  Bottom Layer w20: v2(19010,2025) v2(19010,2230)
pads on no net: U21.2 U21.3 U21.8 U21.11 U21.12 U21.13 U21.14 U21.15 U21.16 U21.17 U21.21 U21.22 U21.23 U21.24 U21.25 U21.26 U21.27 U21.28 U21.29 U21.30 U21.31 U21.32 U21.33 U21.34 U21.35 U21.39 U21.40 U22.2 U22.3 U22.8 U22.11 U22.12 U22.13 U22.14 U22.15 U22.16 U22.17 U22.21 U22.22 U22.23 U22.24 U22.25 U22.26 U22.27 U22.28 U22.29 U22.30 U22.31 U22.32 U22.33 U22.34 U22.35 U22.39 U22.40 U23.2 U23.3 U23.8 U23.11 U23.12 U23.13 U23.14 U23.15 U23.16 U23.17 U23.21 U23.22 U23.23 U23.24 U23.25 U23.26 U23.27 U23.28 U23.29 U23.30 U23.31 U23.32 U23.33 U23.34 U23.35 U23.39 U23.40 U24.2 U24.3 U24.8 U24.11 U24.12 U24.13 U24.14 U24.15 U24.16 U24.17 U24.21 U24.22 U24.23 U24.24 U24.25 U24.26 U24.27 U24.28 U24.29 U24.30 U24.31 U24.32 U24.33 U24.34 U24.35 U24.39 U24.40 U25.2 U25.3 U25.8 U25.11 U25.12 U25.13 U25.14 U25.15 U25.16 U25.17 U25.21 U25.22 U25.23 U25.24 U25.25 U25.26 U25.27 U25.28 U25.29 U25.30 U25.31 U25.32 U25.33 U25.34 U25.35 U25.39 U25.40 U26.2 U26.3 U26.8 U26.11 U26.12 U26.13 U26.14 U26.15 U26.16 U26.17 U26.21 U26.22 U26.23 U26.24 U26.25 U26.26 U26.27 U26.28 U26.29 U26.30 U26.31 U26.32 U26.33 U26.34 U26.35 U26.39 U26.40 U27.2 U27.3 U27.8 U27.11 U27.12 U27.13 U27.14 U27.15 U27.16 U27.17 U27.21 U27.22 U27.23 U27.24 U27.25 U27.26 U27.27 U27.28 U27.29 U27.30 U27.31 U27.32 U27.33 U27.34 U27.35 U27.39 U27.40 U28.2 U28.3 U28.8 U28.11 U28.12 U28.13 U28.14 U28.15 U28.16 U28.17 U28.21 U28.22 U28.23 U28.24 U28.25 U28.26 U28.27 U28.28 U28.29 U28.30 U28.31 U28.32 U28.33 U28.34 U28.35 U28.39 U28.40 U29.2 U29.3 U29.8 U29.11 U29.12 U29.13 U29.14 U29.15 U29.16 U29.17 U29.21 U29.22 U29.23 U29.24 U29.25 U29.26 U29.27 U29.28 U29.29 U29.30 U29.31 U29.32 U29.33 U29.34 U29.35 U29.39 U29.40 U30.2 U30.3 U30.8 U30.11 U30.12 U30.13 U30.14 U30.15 U30.16 U30.17 U30.21 U30.22 U30.23 U30.24 U30.25 U30.26 U30.27 U30.28 U30.29 U30.30 U30.31 U30.32 U30.33 U30.34 U30.35 U30.39 U30.40 U31.2 U31.3 U31.8 U31.11 U31.12 U31.13 U31.14 U31.15 U31.16 U31.17 U31.21 U31.22 U31.23 U31.24 U31.25 U31.26 U31.27 U31.28 U31.29 U31.30 U31.31 U31.32 U31.33 U31.34 U31.35 U31.39 U31.40 U32.2 U32.3 U32.8 U32.11 U32.12 U32.13 U32.14 U32.15 U32.16 U32.17 U32.21 U32.22 U32.23 U32.24 U32.25 U32.26 U32.27 U32.28 U32.29 U32.30 U32.31 U32.32 U32.33 U32.34 U32.35 U32.39 U32.40 U33.2 U33.3 U33.8 U33.11 U33.12 U33.13 U33.14 U33.15 U33.16 U33.17 U33.21 U33.22 U33.23 U33.24 U33.25 U33.26 U33.27 U33.28 U33.29 U33.30 U33.31 U33.32 U33.33 U33.34 U33.35 U33.39 U33.40 U34.2 U34.3 U34.8 U34.11 U34.12 U34.13 U34.14 U34.15 U34.16 U34.17 U34.21 U34.22 U34.23 U34.24 U34.25 U34.26 U34.27 U34.28 U34.29 U34.30 U34.31 U34.32 U34.33 U34.34 U34.35 U34.39 U34.40 U35.2 U35.3 U35.8 U35.11 U35.12 U35.13 U35.14 U35.15 U35.16 U35.17 U35.21 U35.22 U35.23 U35.24 U35.25 U35.26 U35.27 U35.28 U35.29 U35.30 U35.31 U35.32 U35.33 U35.34 U35.35 U35.39 U35.40 U36.2 U36.3 U36.8 U36.11 U36.12 U36.13 U36.14 U36.15 U36.16 U36.17 U36.21 U36.22 U36.23 U36.24 U36.25 U36.26 U36.27 U36.28 U36.29 U36.30 U36.31 U36.32 U36.33 U36.34 U36.35 U36.39 U36.40 U37.2 U37.3 U37.8 U37.11 U37.12 U37.13 U37.14 U37.15 U37.16 U37.17 U37.21 U37.22 U37.23 U37.24 U37.25 U37.26 U37.27 U37.28 U37.29 U37.30 U37.31 U37.32 U37.33 U37.34 U37.35 U37.39 U37.40 U38.2 U38.3 U38.8 U38.11 U38.12 U38.13 U38.14 U38.15 U38.16 U38.17 U38.21 U38.22 U38.23 U38.24 U38.25 U38.26 U38.27 U38.28 U38.29 U38.30 U38.31 U38.32 U38.33 U38.34 U38.35 U38.39 U38.40 U39.2 U39.3 U39.8 U39.11 U39.12 U39.13 U39.14 U39.15 U39.16 U39.17 U39.21 U39.22 U39.23 U39.24 U39.25 U39.26 U39.27 U39.28 U39.29 U39.30 U39.31 U39.32 U39.33 U39.34 U39.35 U39.39 U39.40 U40.2 U40.3 U40.8 U40.11 U40.12 U40.13 U40.14 U40.15 U40.16 U40.17 U40.21 U40.22 U40.23 U40.24 U40.25 U40.26 U40.27 U40.28 U40.29 U40.30 U40.31 U40.32 U40.33 U40.34 U40.35 U40.39 U40.40

## Polygon pours and split planes (outlines as drawn)
GND on Top Layer "Top Layer-GND 13" (solid, pour order 62): 15511.55,935.6 15511.55,620.6 14900.55,620.6 14900.55,935.6
GND on Top Layer "Top Layer-GND 10" (solid, pour order 34): 5978.25,7056 6229.25,7056 6229.25,6523 6223.25,6523 5980.25,6523
GND on Top Layer "Top Layer-GND" (solid, remove dead copper, pour order 4): 18911,6553 19143,6321 19143,3825 590,3825 373,4042 373,6552 374,6553
GND on Top Layer "Top Layer-GND 3" (solid, pour order 60): 4577,6660 4577,6345 3966,6345 3966,6660
GND on Top Layer "Top Layer-GND 13" (solid, pour order 58): 4550.55,926.6 4550.55,611.6 3939.55,611.6 3939.55,926.6
GND on Top Layer "Top Layer-GND 3" (solid, pour order 52): 15552,6666 15552,6351 14941,6351 14941,6666
GND on Top Layer "Top Layer-GND 1" (solid, remove dead copper, pour order 8): 356,795 18892,795 19138,1041 19138,3542 534,3542 356,3364
GND on Top Layer "Top Layer-GND 2" (solid, pour order 18): 9882,267 9627,267 9623,271 9623,870 9884,870
GND on Top Layer "Top Layer-GND 3" (solid, pour order 48): 10027,6691 10027,6376 9416,6376 9416,6691
GND on Top Layer "Top Layer-GND 4" (solid, pour order 46): 16926,7056 17177,7056 17177,6523 17171,6523 16928,6523
GND on Top Layer "Top Layer-GND 5" (solid, pour order 44): 15101.38,7056 15352.38,7056 15352.38,6523 15346.38,6523 15103.38,6523
GND on Top Layer "Top Layer-GND 6" (solid, pour order 42): 13276.75,7056 13527.75,7056 13527.75,6523 13521.75,6523 13278.75,6523
GND on Top Layer "Top Layer-GND 7" (solid, pour order 40): 11452.12,7056 11703.12,7056 11703.12,6523 11697.12,6523 11454.12,6523
GND on Top Layer "Top Layer-GND 8" (solid, pour order 38): 9627.5,7056 9878.5,7056 9878.5,6523 9872.5,6523 9629.5,6523
GND on Top Layer "Top Layer-GND 9" (solid, pour order 36): 7802.88,7056 8053.88,7056 8053.88,6523 8047.88,6523 7804.88,6523
GND on Top Layer "Top Layer-GND 11" (solid, pour order 32): 4153.62,7056 4404.62,7056 4404.62,6523 4398.62,6523 4155.62,6523
GND on Top Layer "Top Layer-GND 12" (solid, pour order 30): 2329,7056 2580,7056 2580,6523 2574,6523 2331,6523
GND on Top Layer "Top Layer-GND 13" (solid, pour order 28): 10027,921 10027,606 9416,606 9416,921
GND on Top Layer "Top Layer-GND 14" (solid, pour order 26): 17178,267 16923,267 16919,271 16919,870 17180,870
GND on Top Layer "Top Layer-GND 15" (solid, pour order 24): 15354,267 15099,267 15095,271 15095,870 15356,870
GND on Top Layer "Top Layer-GND 16" (solid, pour order 22): 13530,267 13275,267 13271,271 13271,870 13532,870
GND on Top Layer "Top Layer-GND 17" (solid, pour order 20): 11706,267 11451,267 11447,271 11447,870 11708,870
GND on Top Layer "Top Layer-GND 18" (solid, pour order 16): 8058,267 7803,267 7799,271 7799,870 8060,870
GND on Top Layer "Top Layer-GND 19" (solid, pour order 14): 6234,267 5979,267 5975,271 5975,870 6236,870
GND on Top Layer "Top Layer-GND 20" (solid, pour order 12): 4410,267 4155,267 4151,271 4151,870 4412,870
GND on Top Layer "Top Layer-GND 21" (solid, pour order 10): 2586,267 2331,267 2327,271 2327,870 2588,870
GND on Bottom Layer "Bottom Layer-GND" (solid, pour order 2): 47.08,7289 19428,7289 19428,20 48.08,20

## Keep-outs
Keep-Out Layer:
  the board outline again, w10

## Silkscreen, mask and mechanical layers (free items; w line width, h text height)
Top Overlay:
  text "01" at 2145,6681 h200
  text "02" at 3970.22,6681 h200
  text "03" at 5795.44,6681 h200
  text "04" at 7620.67,6681 h200
  text "05" at 9445.89,6681 h200
  text "06" at 11271.11,6681 h200
  text "07" at 13096.33,6681 h200
  text "08" at 14921.56,6681 h200
  text "09" at 16746.78,6681 h200
  text "10" at 18572,6681 h200
  text "DB15引脚功能表" at 18121,6559 h200
  text "1~9:prot9~1" at 18701,6327 h150
  text "01" at 935,6237 h200
  text "02" at 2757.67,6237 h200
  text "03" at 4580.33,6237 h200
  text "04" at 6403,6237 h200
  text "05" at 8225.67,6237 h200
  text "06" at 10048.33,6237 h200
  text "07" at 11871,6237 h200
  text "08" at 13693.67,6237 h200
  text "09" at 15516.33,6237 h200
  text "10" at 17339,6237 h200
  text "10:GND" at 18701,6078.85 h150
  text "11:CarrrierA" at 18701,5855.68 h150
  text "12:IN+" at 18701,5630.84 h150
  text "13:PE" at 18701,5409.34 h150
  text "14:IN-" at 18701,5184.5 h150
  text "15:CarrrierB" at 18701,4963 h150
  text "轴报总线" at 18755,4662 h100
  text "B" at 18595,4489 h100
  text "A" at 18584,4294 h100
  text "PC总线" at 18790,3914 h100
  text "B" at 18603,3740 h100
  text "ZBLW-Ⅱ-ZB-V2.01" at 296,3633 h150
  text "A" at 18602,3552 h100
  text "5V" at 482,3398 h200
  text "+" at 295.28,3381.42 h200
  text "-" at 302,2851 h200
  text "+" at 300,2458 h200
  text "-" at 302,1924 h200
  text "48V" at 417,1876 h200
  text "PE" at 462,1530 h200
  text "11" at 919,940 h200
  text "12" at 2741,940 h200
  text "13" at 4563,940 h200
  text "14" at 6385,940 h200
  text "15" at 8207,940 h200
  text "16" at 10029,940 h200
  text "17" at 11851,940 h200
  text "18" at 13673,940 h200
  text "19" at 15495,940 h200
  text "20" at 17317,940 h200
  text "11" at 2165,503 h200
  text "11" at 2165,493 h200
  text "12" at 3989.44,493 h200
  text "13" at 5813.89,493 h200
  text "14" at 7638.33,493 h200
  text "15" at 9462.78,493 h200
  text "16" at 11287.22,493 h200
  text "17" at 13111.67,493 h200
  text "18" at 14936.11,493 h200
  text "19" at 16760.56,493 h200
  text "20" at 18585,493 h200

## Dimensions
0,7322.83 to 19488.19,7322.83 on Top Overlay
0,0 to 0,7322.83 on Top Overlay

## Text inside footprints (layer, text, board x,y; h text height)
J1: Top Overlay "8" at 1032.78,6856.84 h59.06; Top Overlay "15" at 986.42,7069.08 h59.06; Top Overlay "9" at 2005.45,7073.1 h59.06; Top Overlay "1" at 2020.74,6851.45 h59.06; Bottom Overlay "1" at 2037.3,6851.45 h59.06; Bottom Overlay "9" at 2037.3,7073.1 h59.06; Bottom Overlay "15" at 1076.91,7066.96 h59.06; Bottom Overlay "8" at 1052.46,6856.84 h59.06
J2: Top Overlay "8" at 2856.67,6856.84 h59.06; Top Overlay "15" at 2810.31,7069.08 h59.06; Top Overlay "9" at 3829.34,7073.1 h59.06; Top Overlay "1" at 3844.63,6851.45 h59.06; Bottom Overlay "1" at 3861.19,6851.45 h59.06; Bottom Overlay "9" at 3861.19,7073.1 h59.06; Bottom Overlay "15" at 2900.8,7066.96 h59.06; Bottom Overlay "8" at 2876.35,6856.84 h59.06
J3: Top Overlay "8" at 4680.56,6856.84 h59.06; Top Overlay "15" at 4634.2,7069.08 h59.06; Top Overlay "9" at 5653.23,7073.1 h59.06; Top Overlay "1" at 5668.52,6851.45 h59.06; Bottom Overlay "1" at 5685.08,6851.45 h59.06; Bottom Overlay "9" at 5685.08,7073.1 h59.06; Bottom Overlay "15" at 4724.69,7066.96 h59.06; Bottom Overlay "8" at 4700.24,6856.84 h59.06
J4: Top Overlay "8" at 6504.45,6856.84 h59.06; Top Overlay "15" at 6458.09,7069.08 h59.06; Top Overlay "9" at 7477.12,7073.1 h59.06; Top Overlay "1" at 7492.41,6851.45 h59.06; Bottom Overlay "1" at 7508.96,6851.45 h59.06; Bottom Overlay "9" at 7508.96,7073.1 h59.06; Bottom Overlay "15" at 6548.58,7066.96 h59.06; Bottom Overlay "8" at 6524.13,6856.84 h59.06
J5: Top Overlay "8" at 8328.34,6856.84 h59.06; Top Overlay "15" at 8281.98,7069.08 h59.06; Top Overlay "9" at 9301.01,7073.1 h59.06; Top Overlay "1" at 9316.3,6851.45 h59.06; Bottom Overlay "1" at 9332.85,6851.45 h59.06; Bottom Overlay "9" at 9332.85,7073.1 h59.06; Bottom Overlay "15" at 8372.47,7066.96 h59.06; Bottom Overlay "8" at 8348.02,6856.84 h59.06
J6: Top Overlay "8" at 10152.23,6856.84 h59.06; Top Overlay "15" at 10105.86,7069.08 h59.06; Top Overlay "9" at 11124.9,7073.1 h59.06; Top Overlay "1" at 11140.19,6851.45 h59.06; Bottom Overlay "1" at 11156.74,6851.45 h59.06; Bottom Overlay "9" at 11156.74,7073.1 h59.06; Bottom Overlay "15" at 10196.36,7066.96 h59.06; Bottom Overlay "8" at 10171.91,6856.84 h59.06
J7: Top Overlay "8" at 11976.12,6856.84 h59.06; Top Overlay "15" at 11929.75,7069.08 h59.06; Top Overlay "9" at 12948.79,7073.1 h59.06; Top Overlay "1" at 12964.07,6851.45 h59.06; Bottom Overlay "1" at 12980.63,6851.45 h59.06; Bottom Overlay "9" at 12980.63,7073.1 h59.06; Bottom Overlay "15" at 12020.25,7066.96 h59.06; Bottom Overlay "8" at 11995.8,6856.84 h59.06
J8: Top Overlay "8" at 13800,6856.84 h59.06; Top Overlay "15" at 13753.64,7069.08 h59.06; Top Overlay "9" at 14772.68,7073.1 h59.06; Top Overlay "1" at 14787.96,6851.45 h59.06; Bottom Overlay "1" at 14804.52,6851.45 h59.06; Bottom Overlay "9" at 14804.52,7073.1 h59.06; Bottom Overlay "15" at 13844.14,7066.96 h59.06; Bottom Overlay "8" at 13819.68,6856.84 h59.06
J9: Top Overlay "8" at 15623.89,6856.84 h59.06; Top Overlay "15" at 15577.53,7069.08 h59.06; Top Overlay "9" at 16596.56,7073.1 h59.06; Top Overlay "1" at 16611.85,6851.45 h59.06; Bottom Overlay "1" at 16628.41,6851.45 h59.06; Bottom Overlay "9" at 16628.41,7073.1 h59.06; Bottom Overlay "15" at 15668.02,7066.96 h59.06; Bottom Overlay "8" at 15643.57,6856.84 h59.06
J10: Top Overlay "8" at 17447.78,6856.84 h59.06; Top Overlay "15" at 17401.42,7069.08 h59.06; Top Overlay "9" at 18420.45,7073.1 h59.06; Top Overlay "1" at 18435.74,6851.45 h59.06; Bottom Overlay "1" at 18452.3,6851.45 h59.06; Bottom Overlay "9" at 18452.3,7073.1 h59.06; Bottom Overlay "15" at 17491.91,7066.96 h59.06; Bottom Overlay "8" at 17467.46,6856.84 h59.06
J11: Top Overlay "8" at 2059.05,458.16 h59.06 r180; Top Overlay "15" at 2105.41,245.92 h59.06 r180; Top Overlay "9" at 1086.38,241.9 h59.06 r180; Top Overlay "1" at 1071.09,463.55 h59.06 r180; Bottom Overlay "1" at 1054.54,463.55 h59.06 r180; Bottom Overlay "9" at 1054.54,241.9 h59.06 r180; Bottom Overlay "15" at 2014.92,248.04 h59.06 r180; Bottom Overlay "8" at 2039.37,458.16 h59.06 r180
J12: Top Overlay "1" at 2893.15,463.55 h59.06 r180; Top Overlay "9" at 2908.43,241.9 h59.06 r180; Top Overlay "15" at 3927.47,245.92 h59.06 r180; Top Overlay "8" at 3881.11,458.16 h59.06 r180; Bottom Overlay "8" at 3861.43,458.16 h59.06 r180; Bottom Overlay "15" at 3836.97,248.04 h59.06 r180; Bottom Overlay "9" at 2876.59,241.9 h59.06 r180; Bottom Overlay "1" at 2876.59,463.55 h59.06 r180
J13: Top Overlay "8" at 5704.99,458.16 h59.06 r180; Top Overlay "15" at 5751.36,245.92 h59.06 r180; Top Overlay "9" at 4732.32,241.9 h59.06 r180; Top Overlay "1" at 4717.04,463.55 h59.06 r180; Bottom Overlay "1" at 4700.48,463.55 h59.06 r180; Bottom Overlay "9" at 4700.48,241.9 h59.06 r180; Bottom Overlay "15" at 5660.86,248.04 h59.06 r180; Bottom Overlay "8" at 5685.32,458.16 h59.06 r180
J14: Top Overlay "8" at 7528.88,458.16 h59.06 r180; Top Overlay "15" at 7575.25,245.92 h59.06 r180; Top Overlay "9" at 6556.21,241.9 h59.06 r180; Top Overlay "1" at 6540.92,463.55 h59.06 r180; Bottom Overlay "1" at 6524.37,463.55 h59.06 r180; Bottom Overlay "9" at 6524.37,241.9 h59.06 r180; Bottom Overlay "15" at 7484.75,248.04 h59.06 r180; Bottom Overlay "8" at 7509.2,458.16 h59.06 r180
J15: Top Overlay "8" at 9352.77,458.16 h59.06 r180; Top Overlay "15" at 9399.13,245.92 h59.06 r180; Top Overlay "9" at 8380.1,241.9 h59.06 r180; Top Overlay "1" at 8364.81,463.55 h59.06 r180; Bottom Overlay "1" at 8348.26,463.55 h59.06 r180; Bottom Overlay "9" at 8348.26,241.9 h59.06 r180; Bottom Overlay "15" at 9308.64,248.04 h59.06 r180; Bottom Overlay "8" at 9333.09,458.16 h59.06 r180
J16: Top Overlay "8" at 11176.66,458.16 h59.06 r180; Top Overlay "15" at 11223.02,245.92 h59.06 r180; Top Overlay "9" at 10203.99,241.9 h59.06 r180; Top Overlay "1" at 10188.7,463.55 h59.06 r180; Bottom Overlay "1" at 10172.15,463.55 h59.06 r180; Bottom Overlay "9" at 10172.15,241.9 h59.06 r180; Bottom Overlay "15" at 11132.53,248.04 h59.06 r180; Bottom Overlay "8" at 11156.98,458.16 h59.06 r180
J17: Top Overlay "8" at 13000.55,458.16 h59.06 r180; Top Overlay "15" at 13046.91,245.92 h59.06 r180; Top Overlay "9" at 12027.88,241.9 h59.06 r180; Top Overlay "1" at 12012.59,463.55 h59.06 r180; Bottom Overlay "1" at 11996.03,463.55 h59.06 r180; Bottom Overlay "9" at 11996.03,241.9 h59.06 r180; Bottom Overlay "15" at 12956.42,248.04 h59.06 r180; Bottom Overlay "8" at 12980.87,458.16 h59.06 r180
J18: Top Overlay "8" at 14824.44,458.16 h59.06 r180; Top Overlay "15" at 14870.8,245.92 h59.06 r180; Top Overlay "9" at 13851.77,241.9 h59.06 r180; Top Overlay "1" at 13836.48,463.55 h59.06 r180; Bottom Overlay "1" at 13819.92,463.55 h59.06 r180; Bottom Overlay "9" at 13819.92,241.9 h59.06 r180; Bottom Overlay "15" at 14780.31,248.04 h59.06 r180; Bottom Overlay "8" at 14804.76,458.16 h59.06 r180
J19: Top Overlay "8" at 16648.33,458.16 h59.06 r180; Top Overlay "15" at 16694.69,245.92 h59.06 r180; Top Overlay "9" at 15675.66,241.9 h59.06 r180; Top Overlay "1" at 15660.37,463.55 h59.06 r180; Bottom Overlay "1" at 15643.81,463.55 h59.06 r180; Bottom Overlay "9" at 15643.81,241.9 h59.06 r180; Bottom Overlay "15" at 16604.2,248.04 h59.06 r180; Bottom Overlay "8" at 16628.65,458.16 h59.06 r180